# Altium PCB 键盘.PcbDoc (part 1 of 10)
Units mm, origin at the board's own origin, x right, y up, seen from the top; angles counter-clockwise.
Board outline 100 x 100 mm, 2 copper layers (Top Layer, Bottom Layer); 85 components, 82 nets, 333 pads, 92 vias.
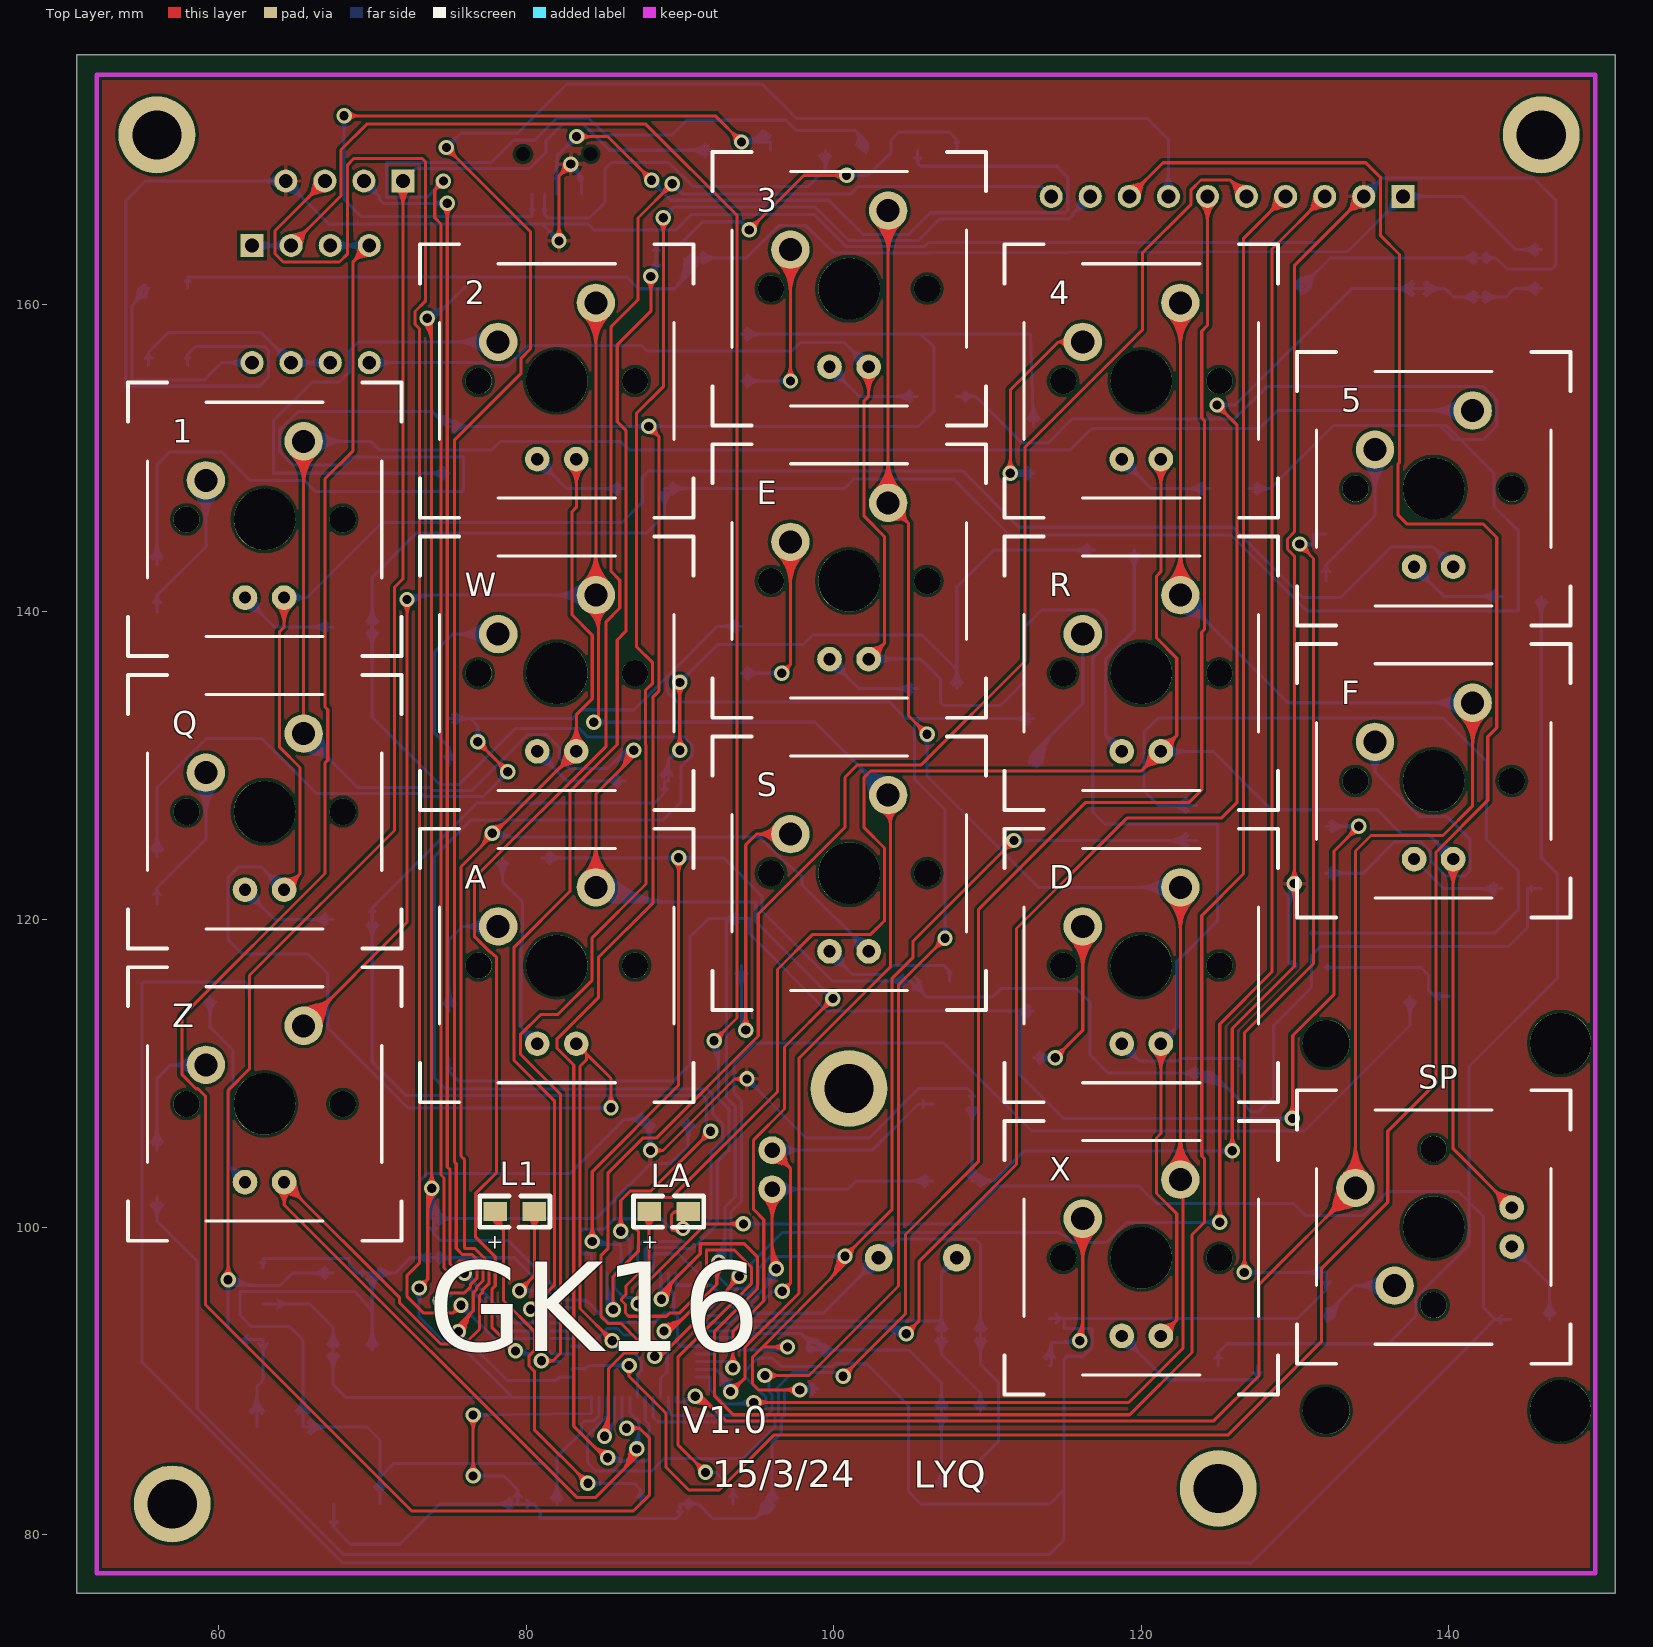
[diagram p0: Top Layer view]
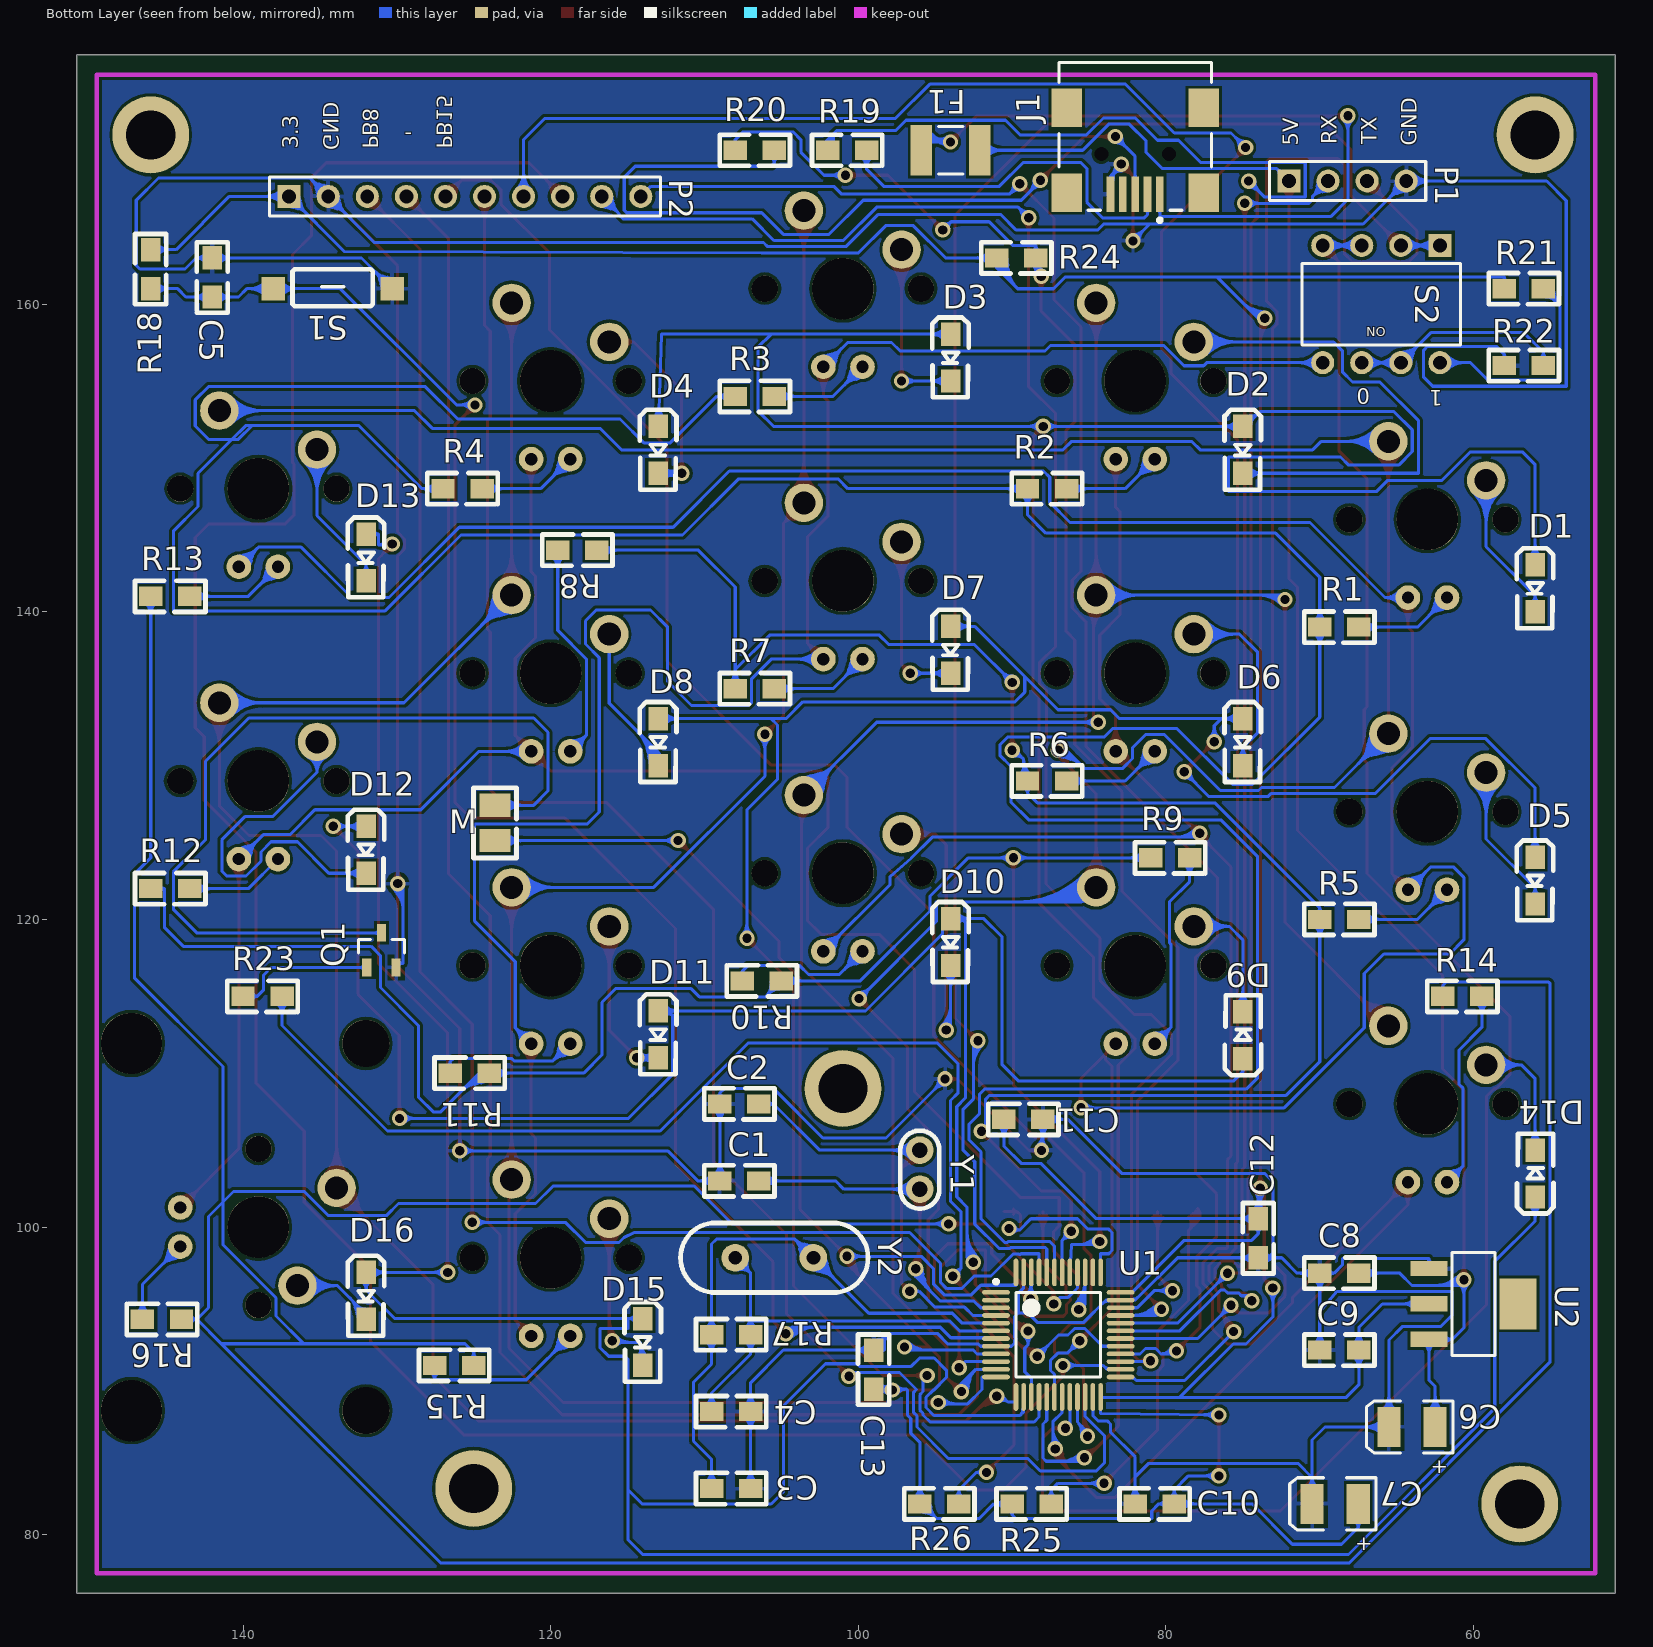
[diagram p1: Bottom Layer view, seen from below]

## Layer stack, top to bottom
Top Layer: signal copper 0.0356
Dielectric: dielectric 0.32, FR-4, Dk 4.8
Bottom Layer: signal copper 0.0356

## Board outline
50.8,76.2 150.8,76.2 150.8,176.2 50.8,176.2

## Design rules (kind name [scope] priority, off if disabled: settings)
Clearance [All] p1: gap=0.2
MinimumSolderMaskSliver [All] p1: minsoldermaskwidth=0.15
PolygonConnect [All] p1: connectstyle=Relief reliefconductorwidth=0.254 reliefentries=4 polygonreliefangle="90 Angle" airgapwidth=0.254
RoutingVias [All] p1: holewidth=0.6 width=1 viastyle="Through Hole" minholewidth=0.711 minwidth=1.27 maxholewidth=0.711 maxwidth=1.27
SolderMaskExpansion [All] p1: expansion=0.102
Width [All] p1: maxlimit=0.2 minlimit=0.2 preferedwidth=0.2
27 further rules are at their usual default settings.

## Components (designator, comment, footprint, x,y, rotation, side; value= is the part's Value field where it differs from the comment)
1 "MX5" MX5F 63,146 r0 top
2 "MX5" MX5F 82,155 r0 top
3 "MX5" MX5F 101,161 r0 top
4 "MX5" MX5F 120,155 r0 top
5 "MX5" MX5F 139,148 r0 top
A "MX5" MX5F 82,117 r0 top
C1 "Cap" 0805 109,103 r180 bottom
C2 "Cap" 0805 109,108 r180 bottom
C3 "Cap" 0805 107,83 r0 bottom
C4 "Cap" 0805 107,88 r0 bottom
C5 "Cap" 0805 142,163 r270 bottom
C6 "Cap2" B_3528 64,87 r0 bottom
C7 "Cap2" B_3528 69,82 r0 bottom
C8 "Cap" 0805 70,97 r180 bottom
C9 "Cap" 0805 70,92 r180 bottom
C10 "Cap" 0805 82,82 r180 bottom
C11 "Cap" 0805 88,107 r0 bottom
C12 "Cap" 0805 74,98 r90 bottom
C13 "Cap" 0805 99,92 r270 bottom
D "MX5" MX5F 120,117 r0 top
D1 "Diode" 贴片二极管 56,140 r90 bottom
D2 "Diode" 贴片二极管 75,149 r90 bottom
D3 "Diode" 贴片二极管 94,155 r90 bottom
D4 "Diode" 贴片二极管 113,149 r90 bottom
D5 "Diode" 贴片二极管 56,121 r90 bottom
D6 "Diode" 贴片二极管 75,130 r90 bottom
D7 "Diode" 贴片二极管 94,136 r90 bottom
D8 "Diode" 贴片二极管 113,130 r90 bottom
D9 "Diode" 贴片二极管 75,114 r270 bottom
D10 "Diode" 贴片二极管 94,117 r90 bottom
D11 "Diode" 贴片二极管 113,111 r90 bottom
D12 "Diode" 贴片二极管 132,123 r90 bottom
D13 "Diode" 贴片二极管 132,142 r90 bottom
D14 "Diode" 贴片二极管 56,105 r270 bottom
D15 "Diode" 贴片二极管 114,91 r90 bottom
D16 "Diode" 贴片二极管 132,94 r90 bottom
E "MX5" MX5F 101,142 r0 top
F "MX5" MX5F 139,129 r0 top
F1 "500mA" 1812 94,170 r0 bottom
J1 "USB" MiniUSB 82,175 r90 bottom
L1 "LED" 0805 78,101 r0 top (schematic designator D17)
LA "LED" 0805 88,101 r0 top (schematic designator D18)
M "Motor" Motor 124,125 r90 bottom
P1 "ISP" PIN4 72,168 r180 bottom
P2 "PIN10" PIN10 137,167 r180 bottom
Q "MX5" MX5F 63,127 r0 top
Q1 "NPN" SOT-23_N 131,118 r90 bottom
R "MX5" MX5F 120,136 r0 top
R1 "Res" 0805 70,139 r180 bottom
R2 "Res" 0805 89,148 r180 bottom
R3 "Res" 0805 108,154 r180 bottom
R4 "Res" 0805 127,148 r180 bottom
R5 "Res" 0805 70,120 r180 bottom
R6 "Res" 0805 89,129 r180 bottom
R7 "Res" 0805 108,135 r180 bottom
R8 "Res" 0805 117,144 r0 bottom
R9 "Res" 0805 81,124 r180 bottom
R10 "Res" 0805 105,116 r0 bottom
R11 "Res" 0805 124,110 r0 bottom
R12 "Res" 0805 146,122 r180 bottom
R13 "Res" 0805 146,141 r180 bottom
R14 "Res" 0805 62,115 r180 bottom
R15 "Res" 0805 125,91 r0 bottom
R16 "Res" 0805 144,94 r0 bottom
R17 "Res" 0805 107,93 r0 bottom
R18 "Res" 0805 146,161 r90 bottom
R19 "Res" 0805 102,170 r180 bottom
R20 "Res" 0805 108,170 r180 bottom
R21 "Res" 0805 58,161 r180 bottom
R22 "Res" 0805 58,156 r180 bottom
R23 "Res" 0805 140,115 r180 bottom
R24 "Res" 0805 91,163 r180 bottom
R25 "Res" 0805 90,82 r180 bottom
R26 "Res" 0805 96,82 r180 bottom
S "MX5" MX5F 101,123 r0 top
S1 "SW-PB" SW 135,161 r180 bottom
S2 "BOOT" SW-DIP-4 66,160 r270 bottom
SP "MX5" "MX5F - 2" 139,100 r90 top
U1 "STM32F103C8T6" LQFP48_N 87,93 r180 bottom
U2 "AMS1117" SOT223_N 60,95 r180 bottom
W "MX5" MX5F 82,136 r0 top
X "MX5" MX5F 120,98 r0 top
Y1 "32.768kHz" RAD0.1 96,105 r270 bottom
Y2 "8MHz" XTAL 108,98 r180 bottom
Z "MX5" MX5F 63,108 r0 top

## Footprints (in the part's own frame and the unit in brackets; to place one, negate y for a bottom-side part, rotate by r counter-clockwise, add the part's x,y. Pads: shape width x height; smd on the part's side, far side on the other; paste and mask are expansions set on the pad)
0805 [mm]
  rect 1.524x1.25 smd: 1(0,0) 2(2.54,0)
  silkscreen extent -1.02,-1.02 3.56,1.02
1812 [mm] "Chip Capacitor, Body 4.5x3.2mm, IPC High Density"
  rect 1.4x3.3 smd: 1(-1.9,0) 2(1.9,0)
  silkscreen extent -0.8,-1.55 0.8,1.55
B_3528 [mm] "SM LED; 2 C-Bend Leads; Body 3.5 x 2.8 x 1.9 mm, inc leads (LxWxH typ)"
  rect 1.5x2.6 smd: 1(-1.5,0) 2(1.5,0)
  silkscreen extent -2.65,-1.7 2.95,1.7
LQFP48_N [mm] "Thin QFP, 48-Leads, Body 7x7mm, Pitch 0.5mm, IPC Medium Density"
  oval 1.8x0.3 smd: 1(-4.05,2.75) 2(-4.05,2.25) 3(-4.05,1.75) 4(-4.05,1.25) 5(-4.05,0.75) 6(-4.05,0.25) 7(-4.05,-0.25) 8(-4.05,-0.75) 9(-4.05,-1.25) 10(-4.05,-1.75) 11(-4.05,-2.25) 12(-4.05,-2.75) 25(4.05,-2.75) 26(4.05,-2.25) 27(4.05,-1.75) 28(4.05,-1.25) 29(4.05,-0.75) 30(4.05,-0.25) 31(4.05,0.25) 32(4.05,0.75) 33(4.05,1.25) 34(4.05,1.75) 35(4.05,2.25) 36(4.05,2.75)
  oval 0.3x1.8 smd: 13(-2.75,-4.05) 14(-2.25,-4.05) 15(-1.75,-4.05) 16(-1.25,-4.05) 17(-0.75,-4.05) 18(-0.25,-4.05) 19(0.25,-4.05) 20(0.75,-4.05) 21(1.25,-4.05) 22(1.75,-4.05) 23(2.25,-4.05) 24(2.75,-4.05) 37(2.75,4.05) 38(2.25,4.05) 39(1.75,4.05) 40(1.25,4.05) 41(0.75,4.05) 42(0.25,4.05) 43(-0.25,4.05) 44(-0.75,4.05) 45(-1.25,4.05) 46(-1.75,4.05) 47(-2.25,4.05) 48(-2.75,4.05)
  silkscreen extent -4.18,-2.75 2.75,3.57, body extent -3.5,-3.5 3.5,3.5, height 1.6
MiniUSB [mm] "Connector; USB2.0, Type B, SM; 5 Position; Right Angle"
  rect 2.3x0.5 smd: 1(-7.85,-1.6) 2(-7.85,-0.8) 3(-7.85,0) 4(-7.85,0.8) 5(-7.85,1.6)
  rect 2.5x2 smd: 6(-7.75,4.45) 7(-2.25,4.45) 8(-7.75,-4.45) 9(-2.25,-4.45)
  round 0.6 hole 0.9 unplated: MH1(-5.25,2.2) MH2(-5.25,-2.2)
  silkscreen extent -9.67,-4.95 0.7,4.95
Motor [mil]
  rect 60x80.21 smd: 1(5,-15) 2(95,-15)
  silkscreen extent -40,-70 140,40
MX5F [mm]
  round 1.7 hole 1.7: 0(-5.08,0) 0(5.08,0)
  round 4 hole 4: 0(0,0)
  round 2.5 hole 1.5: 1(-3.81,2.54) 2(2.54,5.08)
  round 1.6 hole 0.8: A(-1.27,-5.08) K(1.27,-5.08)
  silkscreen extent -8.89,-8.89 8.89,8.89
"MX5F - 2" [mm]
  round 3.98 hole 3.98: 0(-11.938,-8.255) 0(11.938,-8.255)
  round 3.048 hole 3.048: 0(-11.938,6.985) 0(11.938,6.985)
  round 1.7 hole 1.7: 0(-5.08,0) 0(5.08,0)
  round 4 hole 4: 0(0,0)
  round 2.5 hole 1.5: 1(-3.81,2.54) 2(2.54,5.08)
  round 1.6 hole 0.8: A(-1.27,-5.08) K(1.27,-5.08)
  silkscreen extent -8.89,-8.89 8.89,8.89
PIN4 [mm] "Connector; Header; 4 Position"
  rect 1.5x1.5 hole 0.9: 1(0,0)
  round 1.5 hole 0.9: 2(2.54,0) 3(5.08,0) 4(7.62,0)
  silkscreen extent -1.27,-1.27 8.89,1.27
PIN10 [mm] "Connector; Header; 10 Position"
  rect 1.5x1.5 hole 0.9: 1(0,0)
  round 1.5 hole 0.9: 2(2.54,0) 3(5.08,0) 4(7.62,0) 5(10.16,0) 6(12.7,0) 7(15.24,0) 8(17.78,0) 9(20.32,0) 10(22.86,0)
  silkscreen extent -1.27,-1.27 24.13,1.27
RAD0.1 [mm]
  round 1.8 hole 1: 1(0,0) 2(2.54,0)
  silkscreen extent -1.27,-1.27 3.81,1.27
SOT223_N [mm] "SOT223, 4-Leads, Body 6.5x3.5mm, Pitch 2.3mm, Lead Span 7mm, IPC Medium Density"
  rect 2.4x1 smd: 1(-2.9,2.3) 2(-2.9,0) 3(-2.9,-2.3)
  rect 2.4x3.3 smd: 4(2.9,0)
  silkscreen extent -1.4,-3.35 1.4,3.35, body extent -1.85,-3.35 1.85,3.35, height 1.7
SOT-23_N [mm] "SOT23, 3-Leads, Body 2.9x1.3mm, Pitch 0.95mm, Lead Span 2.5mm, IPC Medium Density"
  rect 1.15x0.6 smd: 1(-1.125,0.95) 2(-1.125,-0.95) 3(1.125,0)
  silkscreen extent -0.2,-1.5 0.7,1.5, body extent -0.7,-1.5 0.7,1.5, height 1.1
SW [mil]
  rect 60x60 smd: 1(-120,0) 2(185,0)
  silkscreen extent -70,-45 135,50
SW-DIP-4 [mm] "DIP; 8 Leads; Row Spacing 7.62 mm; Pitch 2.54 mm"
  rect 1.5x1.5 hole 0.9: 1(-3.81,3.81)
  round 1.5 hole 0.9: 2(-3.81,1.27) 3(-3.81,-1.27) 4(-3.81,-3.81) 5(3.81,-3.81) 6(3.81,-1.27) 7(3.81,1.27) 8(3.81,3.81)
  silkscreen extent -2.65,-5.15 2.65,5.15
XTAL [mm]
  round 1.8 hole 0.9: 1(0,0) 2(5.08,0)
  silkscreen extent -3.56,-2.26 8.64,2.26
贴片二极管 [mil]
  rect 60x50 smd: 1(120,0) 2(0,0)
  silkscreen extent -42,-46 162,47

## Part data
C1 C2 C3 C4 C5 C6 C7 C8 C9 C10 C11 C12 C13: "Capacitor"
D1 D2 D3 D4 D5 D6 D7 D8 D9 D10 D11 D12 D13 D14 D15 D16: "Default Diode"
F1: library part Fuse, "Fuse"
L1 LA: "Typical INFRARED GaAs LED"
M: "Motor, General Kind"
P1: library part PIN4, "Header, 4-Pin"
P2: "Header, 10-Pin"
Q1: "NPN Bipolar Transistor"
R1 R2 R3 R4 R5 R6 R7 R8 R9 R10 R11 R12 R13 R14 R15 R16 R17 R18 R19 R20 R21 R22 R23 R24 R25 R26: "Resistor"
S1: "Switch"
S2: library part "SW DIP-4", "DIP Switch, 4 Position, SPST"
U1: "STM32 ARM-based 32-bit MCU with 64 Kbytes Flash, 48-pin LQFP, Industrial Temperature"
Y1 Y2: library part XTAL, "Crystal Oscillator"

## Free pads (board coordinates)
  round 5 hole 3.2: 0(56,171) 0(57,82) 0(101,109) 0(125,83) 0(146,171)

## Via types
v1: diameter 1, hole 0.6, Top Layer to Bottom Layer, 92 vias

## Nets (pads, with @x,y where several pads share a name; then routed paths per layer and width w, separated by ;. In a path a pad name is that pad's centre, name@x,y a point inside that pad or via, vN(x,y) a via of type N, cw(c..) or ccw(c..) an arc to the next point about the centre after c; other vN are vias at no path point)
BOOT0: S2.1 S2.2 U1.44 | length 190.5
  Top Layer w0.2: S2.2@64.73,163.81 67.97,167.05 67.97,170.028 69.643,171.7 87.786,171.7 93.713,165.773 93.713,113.59 v1(92.227,112.104) ; S2.2@64.387,163.88 cw(c65.223,163.709) 65.002,164.533 ; S2.2@64.387,163.88 cw(c65.223,163.709) 65.002,164.533 ; S2.2@64.387,163.88 cw(c65.223,163.709) 65.002,164.533 ; S2.2@64.583,163.84 cw(c65.577,163.637) 65.314,164.617 ; S2.2@64.583,163.84 cw(c65.577,163.637) 65.314,164.617 ; S2.2@64.583,163.84 cw(c65.577,163.637) 65.314,164.617 ; S2.2@64.729,163.86 ccw(c64.722,164.474) 65.315,164.315 ; S2.2@64.729,163.86 ccw(c64.722,164.474) 65.315,164.315 ; S2.2@64.729,163.86 ccw(c64.722,164.474) 65.315,164.315 ; S2.2@64.73,164.26 ccw(c64.73,165.346) 65.498,164.578 ; S2.2@64.73,164.26 ccw(c64.73,165.346) 65.498,164.578 ; S2.2@64.73,164.26 ccw(c64.73,165.346) 65.498,164.578 ; S2.2@64.73,164.46 ccw(c64.73,166.029) 65.84,164.92 ; S2.2@64.73,164.46 ccw(c64.73,166.029) 65.84,164.92 ; S2.2@64.73,164.46 ccw(c64.73,166.029) 65.84,164.92 ; S2.2@64.76,163.663 ccw(c64.557,164.657) 65.537,164.394 ; S2.2@64.76,163.663 ccw(c64.557,164.657) 65.537,164.394 ; S2.2@64.76,163.663 ccw(c64.557,164.657) 65.537,164.394 ; S2.2@64.78,163.809 cw(c65.394,163.802) 65.235,164.395 ; S2.2@64.78,163.809 cw(c65.394,163.802) 65.235,164.395 ; S2.2@64.78,163.809 cw(c65.394,163.802) 65.235,164.395 ; S2.2@64.8,163.467 ccw(c64.629,164.303) 65.453,164.082 ; S2.2@64.8,163.467 ccw(c64.629,164.303) 65.453,164.082 ; S2.2@64.8,163.467 ccw(c64.629,164.303) 65.453,164.082 ; S2.2@65.18,163.81 cw(c66.266,163.81) 65.498,164.578 ; S2.2@65.18,163.81 cw(c66.266,163.81) 65.498,164.578 ; S2.2@65.18,163.81 cw(c66.266,163.81) 65.498,164.578 ; S2.2@65.38,163.81 cw(c66.949,163.81) 65.84,164.92 ; S2.2@65.38,163.81 cw(c66.949,163.81) 65.84,164.92 ; S2.2@65.38,163.81 cw(c66.949,163.81) 65.84,164.92 ; v1(92.227,112.104) cw(c92.912,111.963) 92.731,112.639 ; v1(92.227,112.104) ccw(c92.087,112.788) 92.762,112.608 ; v1(92.227,112.104) cw(c92.912,111.963) 92.731,112.639 ; v1(92.227,112.104) ccw(c92.087,112.788) 92.762,112.608 ; v1(92.227,112.104) cw(c92.912,111.963) 92.731,112.639 ; v1(92.227,112.104) ccw(c92.087,112.788) 92.762,112.608 ; v1@92.227,112.504 ccw(c92.227,113.469) 92.91,112.786 ; v1@92.227,112.504 ccw(c92.227,113.469) 92.91,112.786 ; v1@92.227,112.504 ccw(c92.227,113.469) 92.91,112.786 ; v1@92.627,112.104 cw(c93.593,112.104) 92.91,112.786 ; v1@92.627,112.104 cw(c93.593,112.104) 92.91,112.786 ; v1@92.627,112.104 cw(c93.593,112.104) 92.91,112.786
  Bottom Layer w0.2: S2.1@62.19,163.81 S2.2@64.73,163.81 ; U1.44@87.75,97.05 87.75,98.568 87.842,98.66 90.092,98.66 90.152,98.6 90.847,98.6 92.431,100.184 92.431,104.251 93.202,105.023 93.202,107.632 92.521,108.313 92.521,111.81 v1(92.227,112.104) ; S2.1@62.508,163.492 cw(c63.276,162.724) 63.276,163.81 ; S2.1@62.508,163.492 cw(c63.276,162.724) 63.276,163.81 ; S2.1@62.508,163.492 cw(c63.276,162.724) 63.276,163.81 ; S2.1@62.508,164.128 ccw(c63.276,164.896) 63.276,163.81 ; S2.1@62.508,164.128 ccw(c63.276,164.896) 63.276,163.81 ; S2.1@62.508,164.128 ccw(c63.276,164.896) 63.276,163.81 ; S2.1@62.65,163.35 cw(c63.759,162.241) 63.759,163.81 ; S2.1@62.65,163.35 cw(c63.759,162.241) 63.759,163.81 ; S2.1@62.65,163.35 cw(c63.759,162.241) 63.759,163.81 ; S2.1@62.65,164.27 ccw(c63.759,165.379) 63.759,163.81 ; S2.1@62.65,164.27 ccw(c63.759,165.379) 63.759,163.81 ; S2.1@62.65,164.27 ccw(c63.759,165.379) 63.759,163.81 ; 63.161,163.81 cw(c63.161,162.241) S2.2@64.27,163.35 ; 63.161,163.81 ccw(c63.161,165.379) S2.2@64.27,164.27 ; 63.161,163.81 cw(c63.161,162.241) S2.2@64.27,163.35 ; 63.161,163.81 ccw(c63.161,165.379) S2.2@64.27,164.27 ; 63.161,163.81 cw(c63.161,162.241) S2.2@64.27,163.35 ; 63.161,163.81 ccw(c63.161,165.379) S2.2@64.27,164.27 ; 63.644,163.81 cw(c63.644,162.724) S2.2@64.412,163.492 ; 63.644,163.81 ccw(c63.644,164.896) S2.2@64.412,164.128 ; 63.644,163.81 cw(c63.644,162.724) S2.2@64.412,163.492 ; 63.644,163.81 ccw(c63.644,164.896) S2.2@64.412,164.128 ; 63.644,163.81 cw(c63.644,162.724) S2.2@64.412,163.492 ; 63.644,163.81 ccw(c63.644,164.896) S2.2@64.412,164.128 ; v1@91.945,111.821 cw(c90.553,110.429) 92.521,110.429 ; v1@91.945,111.821 cw(c90.553,110.429) 92.521,110.429 ; v1@91.945,111.821 cw(c90.553,110.429) 92.521,110.429 ; v1@92.086,111.962 cw(c91.036,110.912) 92.521,110.912 ; v1@92.086,111.962 cw(c91.036,110.912) 92.521,110.912 ; v1@92.086,111.962 cw(c91.036,110.912) 92.521,110.912 ; v1@92.124,111.717 cw(c92.045,111.422) 92.31,111.575 ; v1@92.124,111.717 cw(c92.045,111.422) 92.31,111.575 ; v1@92.124,111.717 cw(c92.045,111.422) 92.31,111.575 ; v1(92.227,112.104) cw(c91.519,111.395) 92.521,111.395 ; v1(92.227,112.104) cw(c91.519,111.395) 92.521,111.395 ; v1(92.227,112.104) cw(c91.519,111.395) 92.521,111.395 ; 92.295,111.6 cw(c92.535,111.739) v1@92.356,111.951 ; 92.295,111.6 cw(c92.535,111.739) v1@92.356,111.951 ; 92.295,111.6 cw(c92.535,111.739) v1@92.356,111.951 ; 92.415,111.393 cw(c92.692,111.553) v1@92.485,111.798 ; 92.415,111.393 cw(c92.692,111.553) v1@92.485,111.798 ; 92.415,111.393 cw(c92.692,111.553) v1@92.485,111.798
BOOT1: S2.3 S2.4 U1.20 | length 172.5
  Top Layer w0.2: S2.4@69.81,163.81 68.758,162.758 ; v1(86.538,86.919) 87.376,86.919 ; 68.758,162.758 cw(c69.732,161.783) S2.4@69.785,163.16 ; 68.758,162.758 ccw(c67.783,163.732) S2.4@69.16,163.785 ; 68.758,162.758 cw(c69.732,161.783) S2.4@69.785,163.16 ; 68.758,162.758 ccw(c67.783,163.732) S2.4@69.16,163.785 ; 68.758,162.758 cw(c69.732,161.783) S2.4@69.785,163.16 ; 68.758,162.758 ccw(c67.783,163.732) S2.4@69.16,163.785 ; 68.758,162.758 68.758,150.47 66.929,148.641 66.929,133.807 67.107,133.629 67.107,130.353 66.929,130.175 66.929,122.987 57.64,113.698 57.64,109.898 58.548,108.99 58.675,108.99 59.157,108.509 59.157,94.945 72.568,81.534 86.97,81.534 88.036,82.601 88.036,86.258 87.376,86.919 ; 69.016,163.15 cw(c70.081,162.908) S2.4@69.767,163.954 ; 69.016,163.15 cw(c70.081,162.908) S2.4@69.767,163.954 ; 69.016,163.15 cw(c70.081,162.908) S2.4@69.767,163.954 ; 69.082,163.082 cw(c69.756,162.407) S2.4@69.793,163.36 ; 69.082,163.082 ccw(c68.407,163.756) S2.4@69.36,163.793 ; 69.082,163.082 cw(c69.756,162.407) S2.4@69.793,163.36 ; 69.082,163.082 ccw(c68.407,163.756) S2.4@69.36,163.793 ; 69.082,163.082 cw(c69.756,162.407) S2.4@69.793,163.36 ; 69.082,163.082 ccw(c68.407,163.756) S2.4@69.36,163.793 ; 69.092,163.485 cw(c69.967,163.286) S2.4@69.709,164.145 ; 69.092,163.485 cw(c69.967,163.286) S2.4@69.709,164.145 ; 69.092,163.485 cw(c69.967,163.286) S2.4@69.709,164.145 ; 69.15,163.016 ccw(c68.908,164.08) S2.4@69.954,163.767 ; 69.15,163.016 ccw(c68.908,164.08) S2.4@69.954,163.767 ; 69.15,163.016 ccw(c68.908,164.08) S2.4@69.954,163.767 ; 69.485,163.092 ccw(c69.286,163.967) S2.4@70.145,163.709 ; 69.485,163.092 ccw(c69.286,163.967) S2.4@70.145,163.709 ; 69.485,163.092 ccw(c69.286,163.967) S2.4@70.145,163.709 ; v1@86.849,86.667 cw(c87.376,86.241) 87.376,86.919 ; v1@86.849,86.667 cw(c87.376,86.241) 87.376,86.919 ; v1@86.849,86.667 cw(c87.376,86.241) 87.376,86.919 ; v1@86.849,87.17 ccw(c87.376,87.597) 87.376,86.919 ; v1@86.849,87.17 ccw(c87.376,87.597) 87.376,86.919 ; v1@86.849,87.17 ccw(c87.376,87.597) 87.376,86.919
  Bottom Layer w0.2: S2.3@67.27,163.81 S2.4@69.81,163.81 ; U1.20@86.25,88.95 86.25,87.207 v1(86.538,86.919) ; S2.3@67.588,163.492 cw(c68.356,162.724) 68.356,163.81 ; S2.3@67.588,163.492 cw(c68.356,162.724) 68.356,163.81 ; S2.3@67.588,163.492 cw(c68.356,162.724) 68.356,163.81 ; S2.3@67.588,164.128 ccw(c68.356,164.896) 68.356,163.81 ; S2.3@67.588,164.128 ccw(c68.356,164.896) 68.356,163.81 ; S2.3@67.588,164.128 ccw(c68.356,164.896) 68.356,163.81 ; S2.3@67.73,163.35 cw(c68.839,162.241) 68.839,163.81 ; S2.3@67.73,163.35 cw(c68.839,162.241) 68.839,163.81 ; S2.3@67.73,163.35 cw(c68.839,162.241) 68.839,163.81 ; S2.3@67.73,164.27 ccw(c68.839,165.379) 68.839,163.81 ; S2.3@67.73,164.27 ccw(c68.839,165.379) 68.839,163.81 ; S2.3@67.73,164.27 ccw(c68.839,165.379) 68.839,163.81 ; 68.241,163.81 cw(c68.241,162.241) S2.4@69.35,163.35 ; 68.241,163.81 ccw(c68.241,165.379) S2.4@69.35,164.27 ; 68.241,163.81 cw(c68.241,162.241) S2.4@69.35,163.35 ; 68.241,163.81 ccw(c68.241,165.379) S2.4@69.35,164.27 ; 68.241,163.81 cw(c68.241,162.241) S2.4@69.35,163.35 ; 68.241,163.81 ccw(c68.241,165.379) S2.4@69.35,164.27 ; 68.724,163.81 cw(c68.724,162.724) S2.4@69.492,163.492 ; 68.724,163.81 ccw(c68.724,164.896) S2.4@69.492,164.128 ; 68.724,163.81 cw(c68.724,162.724) S2.4@69.492,163.492 ; 68.724,163.81 ccw(c68.724,164.896) S2.4@69.492,164.128 ; 68.724,163.81 cw(c68.724,162.724) S2.4@69.492,163.492 ; 68.724,163.81 ccw(c68.724,164.896) S2.4@69.492,164.128
D+: R20.1 R24.2 U1.33 | length 184.2
  Top Layer w0.2: v1(88.113,161.798) 88.113,159.537 85.928,157.353 85.928,152.349 86.49,151.787 86.49,138.722 85.928,138.16 85.928,131.369 82.851,128.291 82.851,121.814 79.23,118.194 79.23,110.82 81.839,108.211 81.839,96.206 v1(80.289,94.656) ; v1(100.838,168.377) 98.069,168.377 v1(94.513,164.821) ; v1(80.289,94.656) cw(c80.974,94.516) 80.793,95.191 ; v1(80.289,94.656) ccw(c80.149,95.341) 80.824,95.16 ; v1(80.289,94.656) cw(c80.974,94.516) 80.793,95.191 ; v1(80.289,94.656) ccw(c80.149,95.341) 80.824,95.16 ; v1(80.289,94.656) cw(c80.974,94.516) 80.793,95.191 ; v1(80.289,94.656) ccw(c80.149,95.341) 80.824,95.16 ; v1@80.289,95.056 ccw(c80.289,96.022) 80.972,95.339 ; v1@80.289,95.056 ccw(c80.289,96.022) 80.972,95.339 ; v1@80.289,95.056 ccw(c80.289,96.022) 80.972,95.339 ; v1@80.689,94.656 cw(c81.655,94.656) 80.972,95.339 ; v1@80.689,94.656 cw(c81.655,94.656) 80.972,95.339 ; v1@80.689,94.656 cw(c81.655,94.656) 80.972,95.339 ; v1@87.83,161.515 cw(c87.147,160.832) 88.113,160.832 ; v1@87.83,161.515 cw(c87.147,160.832) 88.113,160.832 ; v1@87.83,161.515 cw(c87.147,160.832) 88.113,160.832 ; 88.113,160.832 cw(c89.078,160.832) v1@88.395,161.515 ; 88.113,160.832 cw(c89.078,160.832) v1@88.395,161.515 ; 88.113,160.832 cw(c89.078,160.832) v1@88.395,161.515 ; v1(94.513,164.821) cw(c95.198,164.68) 95.017,165.356 ; v1(94.513,164.821) ccw(c94.373,165.505) 95.048,165.325 ; v1(94.513,164.821) cw(c95.198,164.68) 95.017,165.356 ; v1(94.513,164.821) ccw(c94.373,165.505) 95.048,165.325 ; v1(94.513,164.821) cw(c95.198,164.68) 95.017,165.356 ; v1(94.513,164.821) ccw(c94.373,165.505) 95.048,165.325 ; v1@94.513,165.221 ccw(c94.513,166.186) 95.196,165.503 ; v1@94.513,165.221 ccw(c94.513,166.186) 95.196,165.503 ; v1@94.513,165.221 ccw(c94.513,166.186) 95.196,165.503 ; v1@94.913,164.821 cw(c95.879,164.821) 95.196,165.503 ; v1@94.913,164.821 cw(c95.879,164.821) 95.196,165.503 ; v1@94.913,164.821 cw(c95.879,164.821) 95.196,165.503 ; 99.872,168.377 cw(c99.872,167.411) v1@100.555,168.094 ; 99.872,168.377 ccw(c99.872,169.342) v1@100.555,168.659 ; 99.872,168.377 cw(c99.872,167.411) v1@100.555,168.094 ; 99.872,168.377 ccw(c99.872,169.342) v1@100.555,168.659 ; 99.872,168.377 cw(c99.872,167.411) v1@100.555,168.094 ; 99.872,168.377 ccw(c99.872,169.342) v1@100.555,168.659
  Bottom Layer w0.2: U1.33@82.95,94.25 80.696,94.25 v1(80.289,94.656) ; v1(94.513,164.821) 93.98,165.354 ; v1(100.838,168.377) 102.235,168.377 103.734,169.875 103.734,170.688 104.242,171.196 107.492,171.196 108,170.688 ; R20.1@108,170 108,170.688 ; v1@80.148,94.515 ccw(c80.788,95.155) 80.788,94.25 ; v1@80.148,94.515 ccw(c80.788,95.155) 80.788,94.25 ; v1@80.148,94.515 ccw(c80.788,95.155) 80.788,94.25 ; v1(80.289,94.656) cw(c80.617,94.425) 80.841,94.757 ; v1(80.289,94.656) cw(c80.617,94.425) 80.841,94.757 ; v1(80.289,94.656) ccw(c81.271,95.638) 81.271,94.25 ; v1(80.289,94.656) cw(c80.617,94.425) 80.841,94.757 ; v1(80.289,94.656) ccw(c81.271,95.638) 81.271,94.25 ; v1(80.289,94.656) ccw(c81.271,95.638) 81.271,94.25 ; v1@80.408,94.495 cw(c80.679,94.126) 80.907,94.523 ; v1@80.408,94.495 cw(c80.679,94.126) 80.907,94.523 ; v1@80.408,94.495 cw(c80.679,94.126) 80.907,94.523 ; v1@80.431,94.798 ccw(c81.753,96.12) 81.753,94.25 ; v1@80.431,94.798 ccw(c81.753,96.12) 81.753,94.25 ; v1@80.431,94.798 ccw(c81.753,96.12) 81.753,94.25 ; v1@80.453,94.541 cw(c80.783,94.308) 81.01,94.643 ; v1@80.453,94.541 cw(c80.783,94.308) 81.01,94.643 ; v1@80.453,94.541 cw(c80.783,94.308) 81.01,94.643 ; v1@80.479,94.304 cw(c80.689,93.912) 80.911,94.297 ; v1@80.479,94.304 cw(c80.689,93.912) 80.911,94.297 ; v1@80.479,94.304 cw(c80.689,93.912) 80.911,94.297 ; v1@80.526,94.334 cw(c80.877,93.857) 81.173,94.37 ; v1@80.526,94.334 cw(c80.877,93.857) 81.173,94.37 ; v1@80.526,94.334 cw(c80.877,93.857) 81.173,94.37 ; v1@80.572,94.939 ccw(c82.236,96.603) U1.33@82.236,94.25 ; v1@80.572,94.939 ccw(c82.236,96.603) U1.33@82.236,94.25 ; v1@80.572,94.939 ccw(c82.236,96.603) U1.33@82.236,94.25 ; v1@80.616,94.426 cw(c80.95,94.19) 81.179,94.528 ; v1@80.616,94.426 cw(c80.95,94.19) 81.179,94.528 ; v1@80.616,94.426 cw(c80.95,94.19) 81.179,94.528 ; v1@80.676,94.76 ccw(c80.971,94.839) 80.818,94.574 ; v1@80.676,94.76 ccw(c80.971,94.839) 80.818,94.574 ; v1@80.676,94.76 ccw(c80.971,94.839) 80.818,94.574 ; v1@80.689,94.669 ccw(c81.134,94.682) 80.911,94.297 ; v1@80.689,94.669 ccw(c81.134,94.682) 80.911,94.297 ; v1@80.689,94.669 ccw(c81.134,94.682) 80.911,94.297 ; v1@87.936,162.157 ccw(c87.52,163) R24.2@88.46,163 ; v1@87.936,162.157 ccw(c87.52,163) R24.2@88.46,163 ; v1@87.936,162.157 ccw(c87.52,163) R24.2@88.46,163 ; v1@88.024,161.977 ccw(c87.678,162.678) R24.2@88.46,162.678 ; v1@88.024,161.977 ccw(c87.678,162.678) R24.2@88.46,162.678 ; v1@88.024,161.977 ccw(c87.678,162.678) R24.2@88.46,162.678 ; v1@88.068,161.993 ccw(c87.923,162.617) R24.2@88.542,162.451 ; v1@88.068,161.993 ccw(c87.923,162.617) R24.2@88.542,162.451 ; v1@88.068,161.993 ccw(c87.923,162.617) R24.2@88.542,162.451 ; v1@88.068,161.993 ccw(c87.923,162.617) R24.2@88.542,162.451 ; v1@88.068,161.993 ccw(c87.923,162.617) R24.2@88.542,162.451 ; v1@88.068,161.993 ccw(c87.923,162.617) R24.2@88.542,162.451 ; v1(88.113,161.798) ccw(c87.837,162.357) 88.46,162.357 ; v1(88.113,161.798) ccw(c87.837,162.357) 88.46,162.357 ; v1(88.113,161.798) ccw(c87.837,162.357) 88.46,162.357 ; v1(88.113,161.798) v1@88.46,162.145 ; R24.2@88.223,162.532 cw(c88.027,162.145) v1@88.46,162.145 ; R24.2@88.223,162.532 cw(c88.027,162.145) v1@88.46,162.145 ; R24.2@88.223,162.532 cw(c88.027,162.145) v1@88.46,162.145 ; R24.2@88.253,163.482 ccw(c88.118,163.796) 88.46,163.796 ; R24.2@88.253,163.482 ccw(c88.118,163.796) 88.46,163.796 ; R24.2@88.253,163.482 ccw(c88.118,163.796) 88.46,163.796 ; v1@88.46,162.145 cw(c88.893,162.145) R24.2@88.697,162.532 ; v1@88.46,162.145 cw(c88.893,162.145) R24.2@88.697,162.532 ; v1@88.46,162.145 cw(c88.893,162.145) R24.2@88.697,162.532 ; v1@88.46,162.145 R24.2@88.46,163 ; R24.2@88.46,163 88.46,163.796 ; 88.46,163.796 ccw(c88.802,163.796) R24.2@88.667,163.482 ; 88.46,163.796 ccw(c88.802,163.796) R24.2@88.667,163.482 ; 88.46,163.796 ccw(c88.802,163.796) R24.2@88.667,163.482 ; 88.46,163.796 89.933,163.796 91.491,165.354 93.98,165.354 ; 93.98,165.354 cw(c93.619,164.992) v1@94.121,164.896 ; 93.98,165.354 ccw(c94.342,165.715) v1@94.438,165.213 ; 93.98,165.354 cw(c93.619,164.992) v1@94.121,164.896 ; 93.98,165.354 ccw(c94.342,165.715) v1@94.438,165.213 ; 93.98,165.354 cw(c93.619,164.992) v1@94.121,164.896 ; 93.98,165.354 ccw(c94.342,165.715) v1@94.438,165.213 ; v1@101.121,168.094 cw(c101.804,167.411) 101.804,168.377 ; v1@101.121,168.094 cw(c101.804,167.411) 101.804,168.377 ; v1@101.121,168.094 cw(c101.804,167.411) 101.804,168.377 ; v1@101.121,168.659 ccw(c101.804,169.342) 101.804,168.377 ; v1@101.121,168.659 ccw(c101.804,169.342) 101.804,168.377 ; v1@101.121,168.659 ccw(c101.804,169.342) 101.804,168.377 ; R20.1@107.861,170.506 ccw(c107.812,170.688) 108,170.688 ; R20.1@107.861,170.506 ccw(c107.812,170.688) 108,170.688 ; R20.1@107.861,170.506 ccw(c107.812,170.688) 108,170.688 ; 108,170.688 ccw(c108.188,170.688) R20.1@108.139,170.506 ; 108,170.688 ccw(c108.188,170.688) R20.1@108.139,170.506 ; 108,170.688 ccw(c108.188,170.688) R20.1@108.139,170.506
D-: R19.1 U1.32 | length 163.2
  Top Layer w0.2: v1(74.625,167.996) 74.066,167.437 ; v1(76,97) 75,97 74.663,97.337 74.663,103.188 74.473,103.378 74.473,165.202 74.066,165.608 74.066,167.437 ; 74.066,167.437 cw(c74.477,167.026) v1@74.565,167.6 ; 74.066,167.437 ccw(c73.656,167.847) v1@74.23,167.935 ; 74.066,167.437 cw(c74.477,167.026) v1@74.565,167.6 ; 74.066,167.437 ccw(c73.656,167.847) v1@74.23,167.935 ; 74.066,167.437 cw(c74.477,167.026) v1@74.565,167.6 ; 74.066,167.437 ccw(c73.656,167.847) v1@74.23,167.935 ; 74.192,167.591 cw(c75.023,167.499) v1@74.5,168.152 ; 74.192,167.591 cw(c75.023,167.499) v1@74.5,168.152 ; 74.192,167.591 cw(c75.023,167.499) v1@74.5,168.152 ; 74.22,167.562 ccw(c74.129,168.393) v1@74.781,167.871 ; 74.22,167.562 ccw(c74.129,168.393) v1@74.781,167.871 ; 74.22,167.562 ccw(c74.129,168.393) v1@74.781,167.871
  Bottom Layer w0.2: v1(76,97) 79.249,93.75 U1.32@82.95,93.75 ; R19.1@102,170 102,170.688 ; 73.942,167.313 cw(c74.625,166.63) v1@74.625,167.596 ; 73.942,167.313 ccw(c73.26,167.996) v1@74.225,167.996 ; 73.942,167.313 cw(c74.625,166.63) v1@74.625,167.596 ; 73.942,167.313 ccw(c73.26,167.996) v1@74.225,167.996 ; 73.942,167.313 cw(c74.625,166.63) v1@74.625,167.596 ; 73.942,167.313 ccw(c73.26,167.996) v1@74.225,167.996 ; 74.09,167.492 cw(c74.765,167.311) v1(74.625,167.996) ; 74.09,167.492 cw(c74.765,167.311) v1(74.625,167.996) ; 74.09,167.492 cw(c74.765,167.311) v1(74.625,167.996) ; 74.121,167.461 ccw(c73.94,168.136) v1(74.625,167.996) ; 74.121,167.461 ccw(c73.94,168.136) v1(74.625,167.996) ; 74.121,167.461 ccw(c73.94,168.136) v1(74.625,167.996) ; v1(74.625,167.996) 73.58,166.95 70.942,166.95 70.942,169.215 77.749,169.215 79.184,170.649 80.544,170.649 81.994,172.1 84.062,172.1 85.162,171 89.484,171 90.434,171.95 96.901,171.95 97.579,171.272 101.416,171.272 ; v1@76,96.6 cw(c76,95.636) 76.682,96.318 ; v1@76,96.6 cw(c76,95.636) 76.682,96.318 ; v1@76,96.6 cw(c76,95.636) 76.682,96.318 ; v1(76,97) cw(c75.859,96.315) 76.535,96.496 ; v1(76,97) ccw(c76.684,97.14) 76.504,96.465 ; v1(76,97) cw(c75.859,96.315) 76.535,96.496 ; v1(76,97) ccw(c76.684,97.14) 76.504,96.465 ; v1(76,97) cw(c75.859,96.315) 76.535,96.496 ; v1(76,97) ccw(c76.684,97.14) 76.504,96.465 ; v1@76.4,97 ccw(c77.367,97) 76.683,96.316 ; v1@76.4,97 ccw(c77.367,97) 76.683,96.316 ; v1@76.4,97 ccw(c77.367,97) 76.683,96.316 ; 101.416,171.272 cw(c100.924,170.78) R19.1@101.459,170.335 ; 101.416,171.272 cw(c100.924,170.78) R19.1@101.459,170.335 ; 101.416,171.272 cw(c100.924,170.78) R19.1@101.459,170.335 ; 101.416,171.272 102,170.688 ; 101.571,171.117 cw(c101.093,170.639) R19.1@101.613,170.208 ; 101.571,171.117 cw(c101.093,170.639) R19.1@101.613,170.208 ; 101.571,171.117 cw(c101.093,170.639) R19.1@101.613,170.208 ; 101.726,170.962 cw(c101.263,170.499) R19.1@101.767,170.08 ; 101.726,170.962 cw(c101.263,170.499) R19.1@101.767,170.08 ; 101.726,170.962 cw(c101.263,170.499) R19.1@101.767,170.08 ; R19.1@101.861,170.506 ccw(c101.812,170.688) 102,170.688 ; R19.1@101.861,170.506 ccw(c101.812,170.688) 102,170.688 ; R19.1@101.861,170.506 ccw(c101.812,170.688) 102,170.688 ; 101.881,170.807 cw(c101.432,170.358) R19.1@101.921,169.952 ; 101.881,170.807 cw(c101.432,170.358) R19.1@101.921,169.952 ; 101.881,170.807 cw(c101.432,170.358) R19.1@101.921,169.952 ; 102,170.688 ccw(c102.188,170.688) R19.1@102.139,170.506 ; 102,170.688 ccw(c102.188,170.688) R19.1@102.139,170.506 ; 102,170.688 ccw(c102.188,170.688) R19.1@102.139,170.506 ; 102.036,170.652 cw(c101.602,170.217) R19.1@102.075,169.824 ; 102.036,170.652 cw(c101.602,170.217) R19.1@102.075,169.824 ; 102.036,170.652 cw(c101.602,170.217) R19.1@102.075,169.824